# Altium PCB amp.PcbDoc (part 15 of 20) (continued)
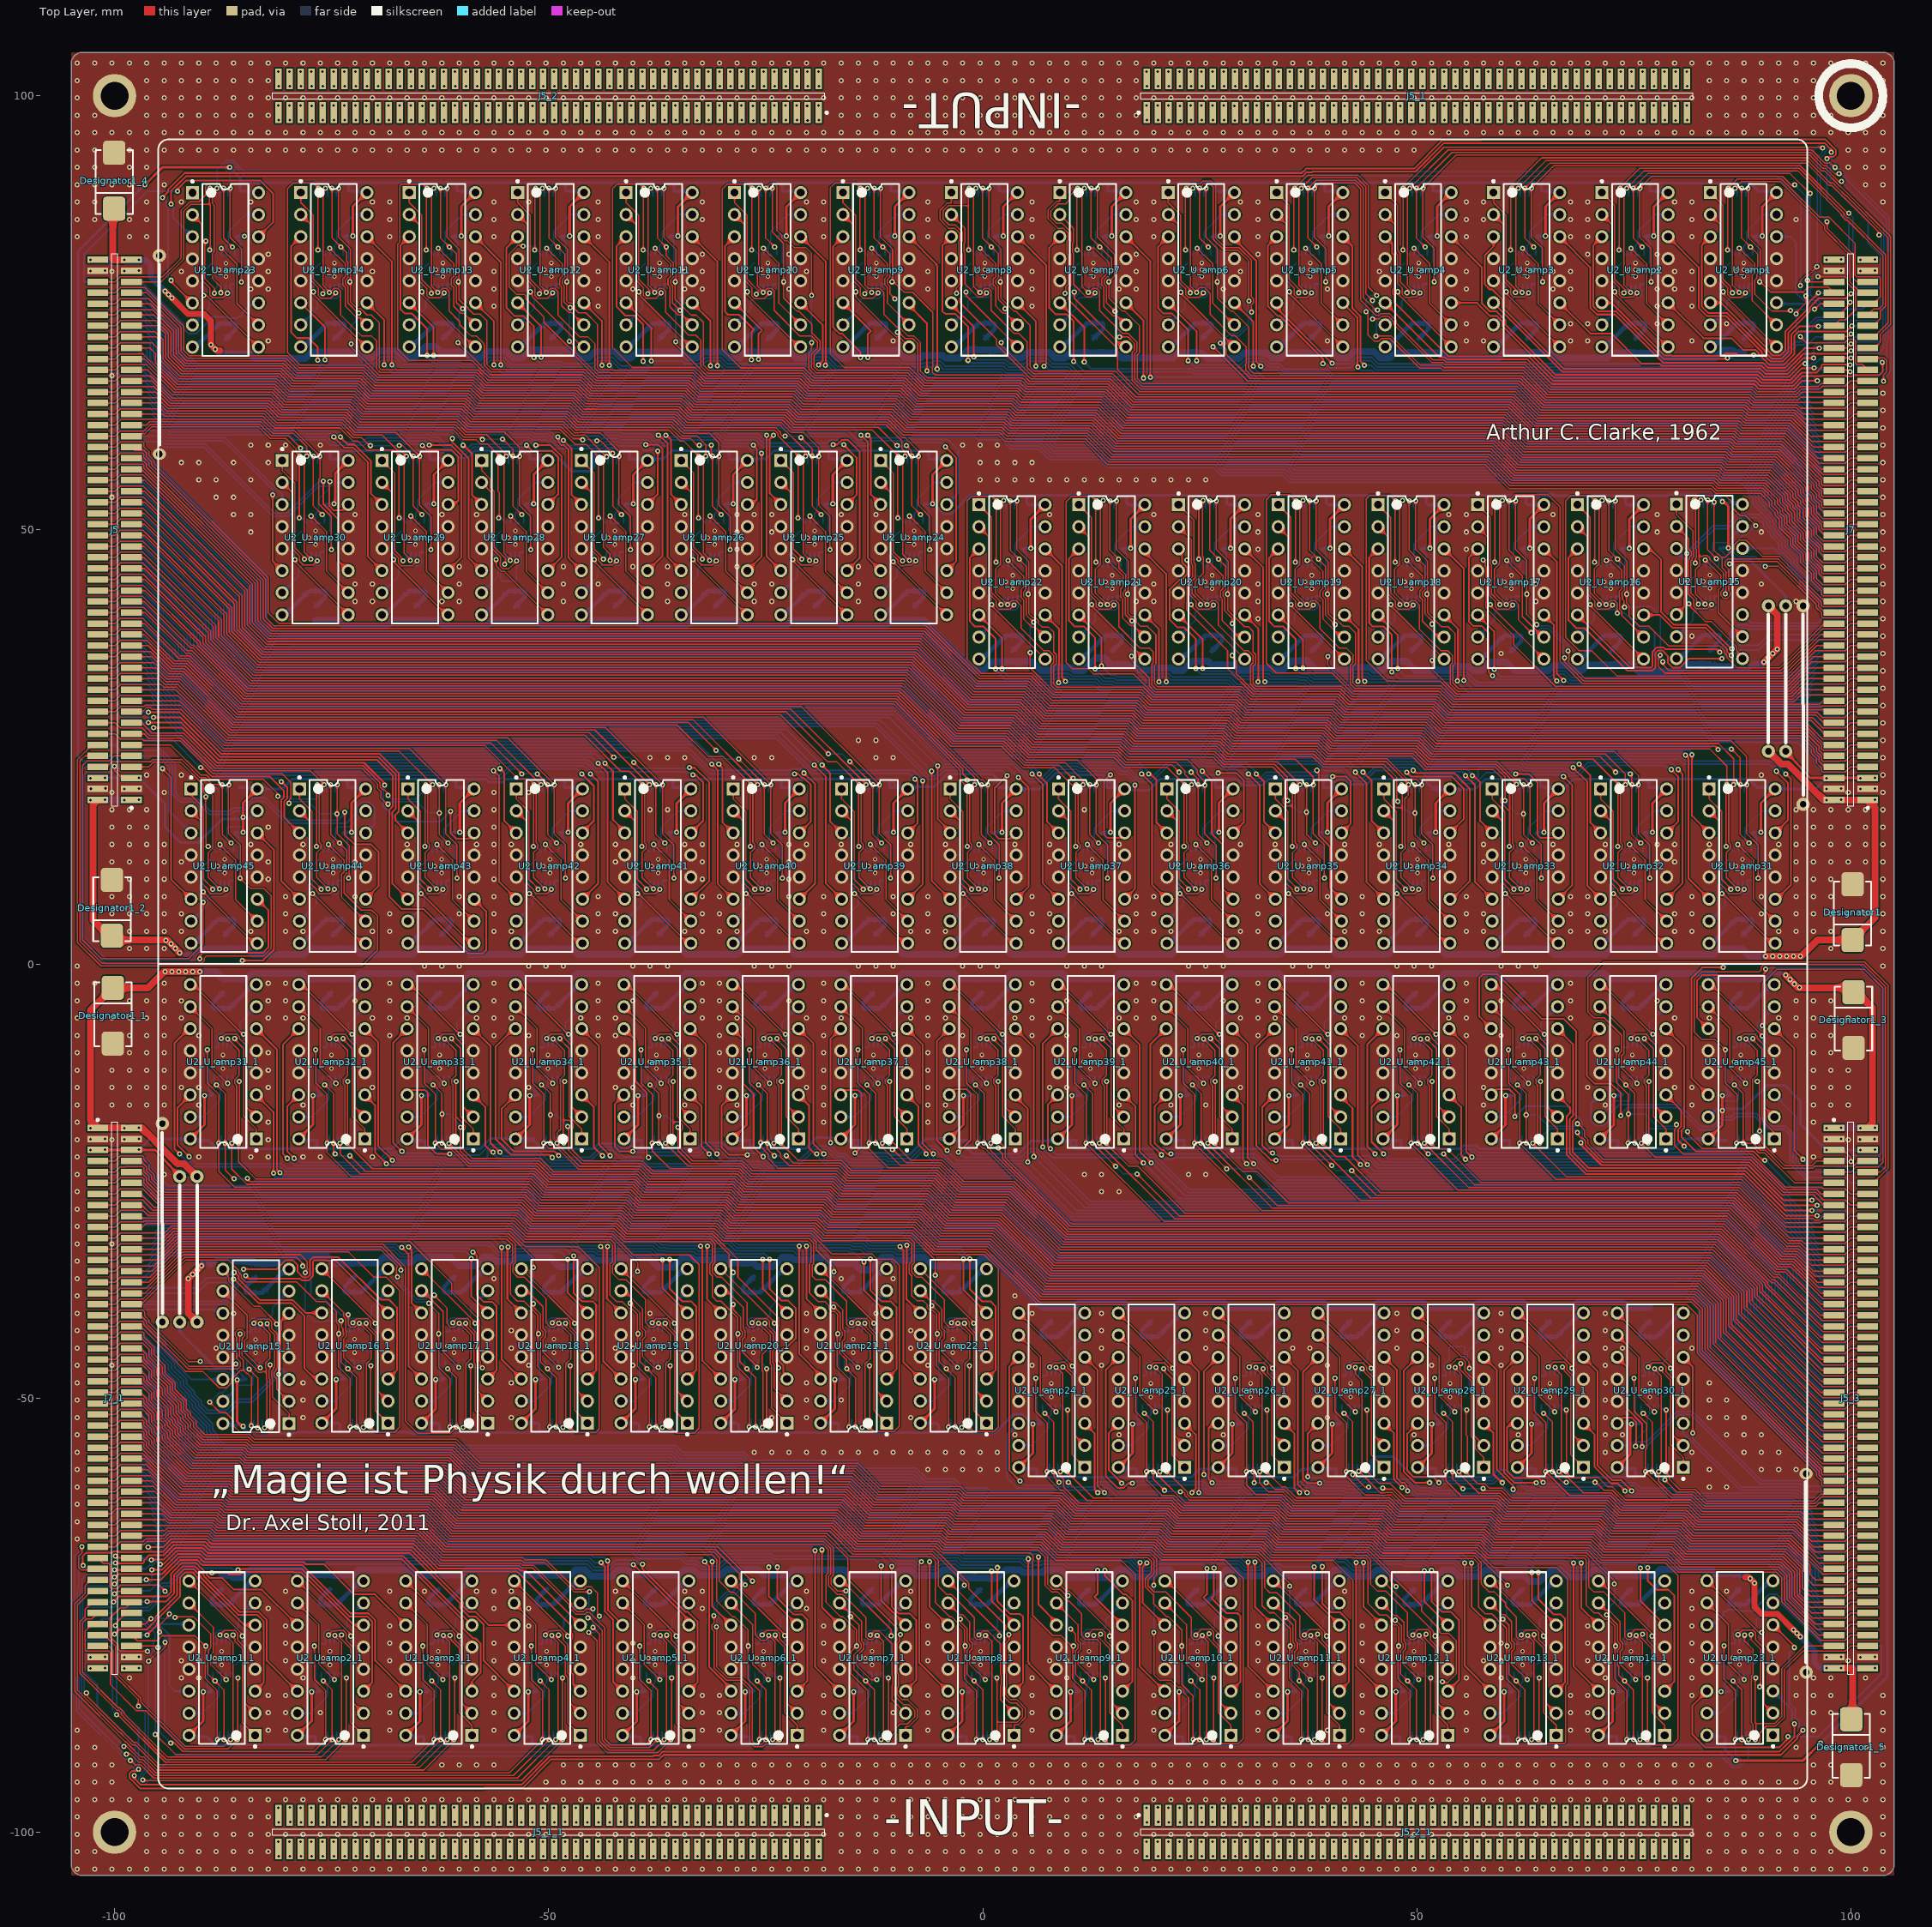
[diagram p0: Top Layer view]
## Nets (pads, with @x,y where several pads share a name; then routed paths per layer and width w, separated by ;. In a path a pad name is that pad's centre, name@x,y a point inside that pad or via, vN(x,y) a via of type N, cw(c..) or ccw(c..) an arc to the next point about the centre after c; other vN are vias at no path point) (continued)
NetJ8_43: J8.43 J8_1.43 U2_U_amp13.14 U2_U_amp13_1.14 | length 361.8
  Top Layer w0.2: U2_U_amp13.14@-58.442,83.77 -55.524,80.853 v1(-55.524,68.986) ; v1(55.524,-68.986) 55.524,-80.853 U2_U_amp13_1.14@58.442,-83.77
  Bottom Layer w0.2: J8_1.43@-98.05,-45.555 -96.901,-45.555 -95.55,-46.906 -95.55,-47.453 -94.15,-48.853 -94.15,-49.4 -93.241,-50.309 -93.241,-50.553 -92.444,-51.35 -92.444,-51.692 -90.457,-53.68 -90.457,-54.52 -89.95,-55.027 -89.95,-55.307 -88.055,-57.202 -36.099,-57.202 -35.312,-57.99 -28.236,-57.99 -27.304,-58.922 -15.212,-58.922 -14.321,-59.813 -8.403,-59.813 -7.149,-61.066 -3.973,-61.066 -2.919,-62.12 -0.238,-62.12 0.161,-62.52 7.351,-62.52 7.546,-62.715 8.613,-62.715 9.418,-63.52 11.608,-63.52 11.982,-63.894 18.729,-63.894 19.395,-64.561 21.571,-64.561 21.931,-64.92 27.874,-64.92 28.574,-65.62 30.849,-65.62 31.13,-65.901 33.251,-65.901 33.67,-66.32 39.297,-66.32 39.453,-66.476 41.46,-66.476 41.758,-66.774 43.164,-66.774 44.097,-67.707 44.418,-67.707 44.425,-67.714 48.859,-67.714 49.135,-67.991 51.254,-67.991 51.626,-68.363 54.901,-68.363 v1(55.524,-68.986) ; v1(-55.524,68.986) -54.901,68.363 -51.626,68.363 -51.254,67.991 -49.135,67.991 -48.859,67.714 -44.425,67.714 -44.418,67.707 -44.097,67.707 -43.164,66.774 -41.758,66.774 -41.46,66.476 -39.453,66.476 -39.297,66.32 -33.67,66.32 -33.251,65.901 -31.13,65.901 -30.849,65.62 -28.574,65.62 -27.874,64.92 -21.931,64.92 -21.571,64.561 -19.395,64.561 -18.729,63.894 -11.982,63.894 -11.608,63.52 -9.418,63.52 -8.613,62.715 -7.546,62.715 -7.351,62.52 -0.161,62.52 0.238,62.12 2.919,62.12 3.973,61.066 7.149,61.066 8.403,59.813 14.321,59.813 15.212,58.922 27.304,58.922 28.236,57.99 35.312,57.99 36.099,57.202 88.055,57.202 89.95,55.307 89.95,55.027 90.457,54.52 90.457,53.68 92.444,51.692 92.444,51.35 93.241,50.553 93.241,50.309 94.15,49.4 94.15,48.853 95.55,47.453 95.55,46.906 96.901,45.555 J8.43@98.05,45.555
NetJ8_44: J8.44 J8_1.44 U2_U_amp13.11 U2_U_amp13_1.11 | length 356.7
  Top Layer w0.2: U2_U_amp13.11@-58.442,76.15 -56.286,73.995 v1(-56.286,68.986) ; v1(56.286,-68.986) 56.286,-73.995 U2_U_amp13_1.11@58.442,-76.15
  Bottom Layer w0.2: J8_1.44@-101.95,-45.555 -99.974,-45.555 -99.354,-44.935 -96.746,-44.935 -96.6,-45.081 -96.6,-45.362 -95.2,-46.762 -95.2,-47.308 -93.8,-48.708 -93.8,-49.255 -92.891,-50.164 -92.891,-50.408 -92.094,-51.205 -92.094,-51.547 -90.107,-53.535 -90.107,-54.375 -89.6,-54.882 -89.6,-55.162 -87.91,-56.852 -35.954,-56.852 -35.167,-57.64 -28.091,-57.64 -27.159,-58.572 -15.067,-58.572 -14.176,-59.463 -8.258,-59.463 -7.004,-60.716 -3.828,-60.716 -2.774,-61.77 -0.093,-61.77 0.306,-62.17 7.496,-62.17 7.691,-62.365 8.758,-62.365 9.563,-63.17 11.753,-63.17 12.127,-63.544 18.874,-63.544 19.54,-64.211 21.716,-64.211 22.076,-64.57 28.019,-64.57 28.719,-65.27 30.994,-65.27 31.275,-65.551 33.396,-65.551 33.815,-65.97 39.442,-65.97 39.597,-66.126 41.605,-66.126 41.903,-66.424 43.309,-66.424 44.242,-67.357 44.563,-67.357 44.57,-67.364 49.004,-67.364 49.28,-67.641 51.399,-67.641 51.771,-68.013 55.328,-68.013 56.074,-68.759 56.074,-68.774 v1(56.286,-68.986) ; v1(-56.286,68.986) -56.074,68.774 -56.074,68.759 -55.328,68.013 -51.771,68.013 -51.399,67.641 -49.28,67.641 -49.004,67.364 -44.57,67.364 -44.563,67.357 -44.242,67.357 -43.309,66.424 -41.903,66.424 -41.605,66.126 -39.597,66.126 -39.442,65.97 -33.815,65.97 -33.396,65.551 -31.275,65.551 -30.994,65.27 -28.719,65.27 -28.019,64.57 -22.076,64.57 -21.716,64.211 -19.54,64.211 -18.874,63.544 -12.127,63.544 -11.753,63.17 -9.563,63.17 -8.758,62.365 -7.691,62.365 -7.496,62.17 -0.306,62.17 0.093,61.77 2.774,61.77 3.828,60.716 7.004,60.716 8.258,59.463 14.176,59.463 15.067,58.572 27.159,58.572 28.091,57.64 35.167,57.64 35.954,56.852 87.91,56.852 89.6,55.162 89.6,54.882 90.107,54.375 90.107,53.535 92.094,51.547 92.094,51.205 92.891,50.408 92.891,50.164 93.8,49.255 93.8,48.708 95.2,47.308 95.2,46.762 96.6,45.362 96.6,45.081 96.746,44.935 99.354,44.935 99.974,45.555 J8.44@101.95,45.555
NetJ8_45: J8.45 J8_1.45 U2_U_amp13.6 U2_U_amp13_1.6 | length 362
  Top Layer w0.2: U2_U_amp13.6@-66.062,76.15 -63.246,73.334 v1(-63.246,70.079) ; v1(63.246,-70.079) 63.246,-73.334 U2_U_amp13_1.6@66.062,-76.15
  Bottom Layer w0.2: J8_1.45@-98.05,-46.825 -96.901,-46.825 -96.25,-47.476 -96.25,-47.743 -94.85,-49.143 -94.85,-49.69 -93.941,-50.599 -93.941,-50.843 -93.144,-51.64 -93.144,-51.982 -91.157,-53.97 -91.157,-54.81 -90.65,-55.317 -90.65,-55.597 -88.345,-57.902 -36.389,-57.902 -35.601,-58.69 -28.526,-58.69 -27.594,-59.622 -15.502,-59.622 -14.611,-60.513 -8.693,-60.513 -7.439,-61.766 -4.263,-61.766 -3.209,-62.82 -0.528,-62.82 -0.128,-63.22 7.061,-63.22 7.256,-63.415 8.323,-63.415 9.128,-64.22 11.319,-64.22 11.692,-64.594 18.439,-64.594 19.105,-65.261 21.281,-65.261 21.641,-65.62 27.584,-65.62 28.284,-66.32 30.559,-66.32 30.84,-66.601 32.961,-66.601 33.38,-67.02 39.007,-67.02 39.163,-67.176 41.17,-67.176 41.468,-67.474 42.874,-67.474 43.811,-68.411 44.132,-68.411 44.141,-68.42 48.575,-68.42 48.845,-68.691 50.964,-68.691 51.336,-69.063 54.322,-69.063 55.146,-69.886 56.868,-69.886 57.692,-69.063 59.924,-69.063 60.226,-69.365 62.742,-69.365 63.092,-69.715 63.137,-69.715 63.271,-69.85 v1@63.271,-70.079 ; v1(-63.246,70.079) v1@-63.271,70.079 ; v1(63.246,-70.079) v1@63.271,-70.079 ; J8.45@98.05,46.825 96.901,46.825 96.25,47.476 96.25,47.743 94.85,49.143 94.85,49.69 93.941,50.599 93.941,50.843 93.144,51.64 93.144,51.982 91.157,53.97 91.157,54.81 90.65,55.317 90.65,55.597 88.345,57.902 36.389,57.902 35.601,58.69 28.526,58.69 27.594,59.622 15.502,59.622 14.611,60.513 8.693,60.513 7.439,61.766 4.263,61.766 3.209,62.82 0.528,62.82 0.128,63.22 -7.061,63.22 -7.256,63.415 -8.323,63.415 -9.128,64.22 -11.319,64.22 -11.692,64.594 -18.439,64.594 -19.105,65.261 -21.281,65.261 -21.641,65.62 -27.584,65.62 -28.284,66.32 -30.559,66.32 -30.84,66.601 -32.961,66.601 -33.38,67.02 -39.007,67.02 -39.163,67.176 -41.17,67.176 -41.468,67.474 -42.874,67.474 -43.811,68.411 -44.132,68.411 -44.141,68.42 -48.575,68.42 -48.845,68.691 -50.964,68.691 -51.336,69.063 -54.322,69.063 -55.146,69.886 -56.868,69.886 -57.692,69.063 -59.924,69.063 -60.226,69.365 -62.742,69.365 -63.092,69.715 -63.137,69.715 -63.271,69.85 v1@-63.271,70.079 ; v1@-63.271,70.079 -63.271,70.206 -63.348,70.206 -63.424,70.129 -63.373,70.079 v1@-63.271,70.079 ; v1@63.271,-70.079 63.271,-70.206 63.348,-70.206 63.424,-70.129 63.373,-70.079 v1@63.271,-70.079
NetJ8_46: J8.46 J8_1.46 U2_U_amp13.3 U2_U_amp13_1.3 | length 389.3
  Top Layer w0.2: U2_U_amp13.3@-66.062,83.77 -67.062,82.77 -67.062,75.393 -66.573,74.905 -65.735,74.905 -64.008,73.177 v1(-64.008,70.079) ; v1(64.008,-70.079) 64.008,-73.177 65.735,-74.905 66.573,-74.905 67.062,-75.393 67.062,-82.77 U2_U_amp13_1.3@66.062,-83.77
  Bottom Layer w0.2: J8_1.46@-101.95,-46.825 -99.974,-46.825 -99.354,-46.205 -96.746,-46.205 -95.9,-47.051 -95.9,-47.598 -94.5,-48.998 -94.5,-49.545 -93.591,-50.454 -93.591,-50.698 -92.794,-51.495 -92.794,-51.837 -90.807,-53.825 -90.807,-54.665 -90.3,-55.172 -90.3,-55.452 -88.2,-57.552 -36.244,-57.552 -35.456,-58.34 -28.381,-58.34 -27.449,-59.272 -15.357,-59.272 -14.466,-60.163 -8.548,-60.163 -7.294,-61.416 -4.118,-61.416 -3.064,-62.47 -0.383,-62.47 0.017,-62.87 7.206,-62.87 7.401,-63.065 8.468,-63.065 9.273,-63.87 11.463,-63.87 11.837,-64.244 18.584,-64.244 19.25,-64.911 21.426,-64.911 21.786,-65.27 27.729,-65.27 28.429,-65.97 30.704,-65.97 30.985,-66.251 33.106,-66.251 33.525,-66.67 39.152,-66.67 39.308,-66.826 41.315,-66.826 41.613,-67.124 43.019,-67.124 43.952,-68.057 44.273,-68.057 44.286,-68.07 48.72,-68.07 48.99,-68.341 51.109,-68.341 51.481,-68.713 54.473,-68.713 55.297,-69.536 56.723,-69.536 57.547,-68.713 60.069,-68.713 60.371,-69.015 62.887,-69.015 63.237,-69.365 63.447,-69.365 v1@64.11,-70.028 ; v1@-64.211,70.129 v1@-64.11,70.028 ; v1(-64.008,70.079) -64.059,70.079 v1@-64.11,70.028 ; v1(64.008,-70.079) 64.059,-70.079 v1@64.11,-70.028 ; v1@64.211,-70.129 v1@64.11,-70.028 ; J8.46@101.95,46.825 99.974,46.825 99.354,46.205 96.746,46.205 95.9,47.051 95.9,47.598 94.5,48.998 94.5,49.545 93.591,50.454 93.591,50.698 92.794,51.495 92.794,51.837 90.807,53.825 90.807,54.665 90.3,55.172 90.3,55.452 88.2,57.552 36.244,57.552 35.456,58.34 28.381,58.34 27.449,59.272 15.357,59.272 14.466,60.163 8.548,60.163 7.294,61.416 4.118,61.416 3.064,62.47 0.383,62.47 -0.017,62.87 -7.206,62.87 -7.401,63.065 -8.468,63.065 -9.273,63.87 -11.463,63.87 -11.837,64.244 -18.584,64.244 -19.25,64.911 -21.426,64.911 -21.786,65.27 -27.729,65.27 -28.429,65.97 -30.704,65.97 -30.985,66.251 -33.106,66.251 -33.525,66.67 -39.152,66.67 -39.308,66.826 -41.315,66.826 -41.613,67.124 -43.019,67.124 -43.952,68.057 -44.273,68.057 -44.286,68.07 -48.72,68.07 -48.99,68.341 -51.109,68.341 -51.481,68.713 -54.473,68.713 -55.297,69.536 -56.723,69.536 -57.547,68.713 -60.069,68.713 -60.371,69.015 -62.887,69.015 -63.237,69.365 -63.447,69.365 v1@-64.11,70.028
NetJ8_47: J8.47 J8_1.47 U2_U_amp12.14 U2_U_amp12_1.14 | length 334.1
  Top Layer w0.2: U2_U_amp12.14@-45.952,83.77 -43.002,80.821 v1(-43.002,68.936) ; v1(43.002,-68.936) 43.002,-80.821 U2_U_amp12_1.14@45.952,-83.77
  Bottom Layer w0.2: J8_1.47@-98.05,-48.095 -97.75,-48.395 -96.601,-48.395 -95.55,-49.446 -95.55,-49.98 -94.641,-50.889 -94.641,-51.133 -93.844,-51.93 -93.844,-52.272 -91.857,-54.259 -91.857,-55.1 -91.35,-55.607 -91.35,-55.887 -88.635,-58.602 -36.679,-58.602 -35.891,-59.39 -28.816,-59.39 -27.884,-60.322 -15.792,-60.322 -14.901,-61.213 -8.982,-61.213 -7.729,-62.466 -4.553,-62.466 -3.499,-63.52 -0.818,-63.52 -0.418,-63.92 6.771,-63.92 6.966,-64.115 8.033,-64.115 8.838,-64.92 11.029,-64.92 11.403,-65.294 18.149,-65.294 18.815,-65.961 20.991,-65.961 21.351,-66.32 27.294,-66.32 27.994,-67.02 30.269,-67.02 30.55,-67.301 32.671,-67.301 33.09,-67.72 38.717,-67.72 38.873,-67.876 40.88,-67.876 41.178,-68.174 42.241,-68.174 v1(43.002,-68.936) ; v1(-43.002,68.936) -42.241,68.174 -41.178,68.174 -40.88,67.876 -38.873,67.876 -38.717,67.72 -33.09,67.72 -32.671,67.301 -30.55,67.301 -30.269,67.02 -27.994,67.02 -27.294,66.32 -21.351,66.32 -20.991,65.961 -18.815,65.961 -18.149,65.294 -11.403,65.294 -11.029,64.92 -8.838,64.92 -8.033,64.115 -6.966,64.115 -6.771,63.92 0.418,63.92 0.818,63.52 3.499,63.52 4.553,62.466 7.729,62.466 8.982,61.213 14.901,61.213 15.792,60.322 27.884,60.322 28.816,59.39 35.891,59.39 36.679,58.602 88.635,58.602 91.35,55.887 91.35,55.607 91.857,55.1 91.857,54.259 93.844,52.272 93.844,51.93 94.641,51.133 94.641,50.889 95.55,49.98 95.55,49.446 96.601,48.395 97.75,48.395 J8.47@98.05,48.095
NetJ8_48: J8.48 J8_1.48 U2_U_amp12.11 U2_U_amp12_1.11 | length 329
  Top Layer w0.2: U2_U_amp12.11@-45.952,76.15 -43.866,74.064 v1(-43.866,68.961) ; v1(43.866,-68.961) 43.866,-74.064 U2_U_amp12_1.11@45.952,-76.15
  Bottom Layer w0.2: J8_1.48@-101.95,-48.095 -99.974,-48.095 -99.354,-47.475 -96.746,-47.475 -96.6,-47.621 -96.6,-47.902 -95.2,-49.302 -95.2,-49.835 -94.291,-50.744 -94.291,-50.988 -93.494,-51.785 -93.494,-52.127 -91.507,-54.115 -91.507,-54.955 -91,-55.462 -91,-55.742 -88.49,-58.252 -36.534,-58.252 -35.746,-59.04 -28.671,-59.04 -27.739,-59.972 -15.647,-59.972 -14.756,-60.863 -8.837,-60.863 -7.584,-62.116 -4.408,-62.116 -3.354,-63.17 -0.673,-63.17 -0.273,-63.57 6.916,-63.57 7.111,-63.765 8.178,-63.765 8.983,-64.57 11.174,-64.57 11.548,-64.944 18.294,-64.944 18.96,-65.611 21.136,-65.611 21.496,-65.97 27.439,-65.97 28.139,-66.67 30.414,-66.67 30.695,-66.951 32.816,-66.951 33.235,-67.37 38.862,-67.37 39.018,-67.526 41.025,-67.526 41.323,-67.824 42.729,-67.824 v1(43.866,-68.961) ; v1(-43.866,68.961) -42.729,67.824 -41.323,67.824 -41.025,67.526 -39.018,67.526 -38.862,67.37 -33.235,67.37 -32.816,66.951 -30.695,66.951 -30.414,66.67 -28.139,66.67 -27.439,65.97 -21.496,65.97 -21.136,65.611 -18.96,65.611 -18.294,64.944 -11.548,64.944 -11.174,64.57 -8.983,64.57 -8.178,63.765 -7.111,63.765 -6.916,63.57 0.273,63.57 0.673,63.17 3.354,63.17 4.408,62.116 7.584,62.116 8.837,60.863 14.756,60.863 15.647,59.972 27.739,59.972 28.671,59.04 35.746,59.04 36.534,58.252 88.49,58.252 91,55.742 91,55.462 91.507,54.955 91.507,54.115 93.494,52.127 93.494,51.785 94.291,50.988 94.291,50.744 95.2,49.835 95.2,49.302 96.6,47.902 96.6,47.621 96.746,47.475 99.354,47.475 99.974,48.095 J8.48@101.95,48.095
NetJ8_49: J8.49 J8_1.49 U2_U_amp12.6 U2_U_amp12_1.6 | length 333.3
  Top Layer w0.2: U2_U_amp12.6@-53.572,76.15 -50.876,73.455 v1(-50.876,69.875) ; v1(50.876,-69.875) 50.876,-73.455 U2_U_amp12_1.6@53.572,-76.15
  Bottom Layer w0.2: J8_1.49@-98.05,-49.365 -97.75,-49.665 -96.601,-49.665 -96.25,-50.016 -96.25,-50.27 -95.341,-51.179 -95.341,-51.423 -94.544,-52.22 -94.544,-52.562 -92.557,-54.549 -92.557,-55.39 -92.05,-55.897 -92.05,-56.177 -88.925,-59.302 -36.969,-59.302 -36.181,-60.09 -29.106,-60.09 -28.174,-61.022 -16.082,-61.022 -15.191,-61.913 -9.272,-61.913 -8.019,-63.166 -4.843,-63.166 -3.789,-64.22 -1.108,-64.22 -0.672,-64.657 6.518,-64.657 6.676,-64.815 7.743,-64.815 8.548,-65.62 10.739,-65.62 11.113,-65.994 17.859,-65.994 18.525,-66.661 20.702,-66.661 21.061,-67.02 27.005,-67.02 27.705,-67.72 29.979,-67.72 30.26,-68.001 32.381,-68.001 32.8,-68.42 38.427,-68.42 38.583,-68.576 40.59,-68.576 40.888,-68.874 41.643,-68.874 42.63,-69.861 44.239,-69.861 44.979,-69.12 48.285,-69.12 48.555,-69.391 50.544,-69.391 50.876,-69.723 v1(50.876,-69.875) ; v1(-50.876,69.875) -50.876,69.723 -50.544,69.391 -48.555,69.391 -48.285,69.12 -44.979,69.12 -44.239,69.861 -42.63,69.861 -41.643,68.874 -40.888,68.874 -40.59,68.576 -38.583,68.576 -38.427,68.42 -32.8,68.42 -32.381,68.001 -30.26,68.001 -29.979,67.72 -27.705,67.72 -27.005,67.02 -21.061,67.02 -20.702,66.661 -18.525,66.661 -17.859,65.994 -11.113,65.994 -10.739,65.62 -8.548,65.62 -7.743,64.815 -6.676,64.815 -6.518,64.657 0.672,64.657 1.108,64.22 3.789,64.22 4.843,63.166 8.019,63.166 9.272,61.913 15.191,61.913 16.082,61.022 28.174,61.022 29.106,60.09 36.181,60.09 36.969,59.302 88.925,59.302 92.05,56.177 92.05,55.897 92.557,55.39 92.557,54.549 94.544,52.562 94.544,52.22 95.341,51.423 95.341,51.179 96.25,50.27 96.25,50.016 96.601,49.665 97.75,49.665 J8.49@98.05,49.365
NetJ8_50: J8.50 J8_1.50 U2_U_amp12.3 U2_U_amp12_1.3 | length 362
  Top Layer w0.2: U2_U_amp12.3@-53.572,83.77 -54.872,82.47 -54.872,75.573 -53.95,74.651 -52.908,74.651 -51.689,73.431 v1(-51.689,69.85) ; v1(51.689,-69.85) 51.689,-73.431 52.908,-74.651 53.95,-74.651 54.872,-75.573 54.872,-82.47 U2_U_amp12_1.3@53.572,-83.77
  Bottom Layer w0.2: J8_1.50@-101.95,-49.365 -99.974,-49.365 -99.354,-48.745 -96.746,-48.745 -95.9,-49.591 -95.9,-50.125 -94.991,-51.034 -94.991,-51.278 -94.194,-52.075 -94.194,-52.417 -92.207,-54.404 -92.207,-55.245 -91.7,-55.752 -91.7,-56.032 -88.78,-58.952 -36.824,-58.952 -36.036,-59.74 -28.961,-59.74 -28.029,-60.672 -15.937,-60.672 -15.046,-61.563 -9.127,-61.563 -7.874,-62.816 -4.698,-62.816 -3.644,-63.87 -0.963,-63.87 -0.563,-64.27 6.626,-64.27 6.821,-64.465 7.888,-64.465 8.693,-65.27 10.884,-65.27 11.258,-65.644 18.004,-65.644 18.67,-66.311 20.846,-66.311 21.206,-66.67 27.149,-66.67 27.849,-67.37 30.124,-67.37 30.405,-67.651 32.526,-67.651 32.945,-68.07 38.572,-68.07 38.728,-68.226 40.735,-68.226 41.033,-68.524 41.813,-68.524 42.8,-69.511 44.094,-69.511 44.834,-68.77 48.43,-68.77 48.7,-69.041 50.819,-69.041 51.679,-69.901 51.689,-69.901 v1(51.689,-69.85) ; v1(-51.689,69.85) -51.689,69.901 -51.679,69.901 -50.819,69.041 -48.7,69.041 -48.43,68.77 -44.834,68.77 -44.094,69.511 -42.8,69.511 -41.813,68.524 -41.033,68.524 -40.735,68.226 -38.728,68.226 -38.572,68.07 -32.945,68.07 -32.526,67.651 -30.405,67.651 -30.124,67.37 -27.849,67.37 -27.149,66.67 -21.206,66.67 -20.846,66.311 -18.67,66.311 -18.004,65.644 -11.258,65.644 -10.884,65.27 -8.693,65.27 -7.888,64.465 -6.821,64.465 -6.626,64.27 0.563,64.27 0.963,63.87 3.644,63.87 4.698,62.816 7.874,62.816 9.127,61.563 15.046,61.563 15.937,60.672 28.029,60.672 28.961,59.74 36.036,59.74 36.824,58.952 88.78,58.952 91.7,56.032 91.7,55.752 92.207,55.245 92.207,54.404 94.194,52.417 94.194,52.075 94.991,51.278 94.991,51.034 95.9,50.125 95.9,49.591 96.746,48.745 99.354,48.745 99.974,49.365 J8.50@101.95,49.365
NetJ8_51: J8.51 J8_1.51 U2_U_amp11.14 U2_U_amp11_1.14 | length 306.4
  Top Layer w0.2: U2_U_amp11.14@-33.462,83.77 -30.556,80.865 v1(-30.556,68.91) ; v1(30.556,-68.91) 30.556,-80.865 U2_U_amp11_1.14@33.462,-83.77
  Bottom Layer w0.2: J8_1.51@-98.05,-50.635 -97.78,-50.905 -96.631,-50.905 -96.041,-51.495 -96.041,-51.713 -95.267,-52.488 -95.267,-52.83 -93.257,-54.839 -93.257,-55.68 -92.75,-56.187 -92.75,-56.467 -89.215,-60.002 -37.259,-60.002 -36.471,-60.79 -29.396,-60.79 -28.464,-61.722 -16.372,-61.722 -15.481,-62.613 -9.562,-62.613 -8.309,-63.866 -5.133,-63.866 -4.079,-64.92 -1.398,-64.92 -0.962,-65.357 6.228,-65.357 6.386,-65.515 7.453,-65.515 8.258,-66.32 10.449,-66.32 10.823,-66.694 17.569,-66.694 18.235,-67.361 20.412,-67.361 20.771,-67.72 26.715,-67.72 27.415,-68.42 29.689,-68.42 30.179,-68.91 v1(30.556,-68.91) ; v1(-30.556,68.91) -30.179,68.91 -29.689,68.42 -27.415,68.42 -26.715,67.72 -20.771,67.72 -20.412,67.361 -18.235,67.361 -17.569,66.694 -10.823,66.694 -10.449,66.32 -8.258,66.32 -7.453,65.515 -6.386,65.515 -6.228,65.357 0.962,65.357 1.398,64.92 4.079,64.92 5.133,63.866 8.309,63.866 9.562,62.613 15.481,62.613 16.372,61.722 28.464,61.722 29.396,60.79 36.471,60.79 37.259,60.002 89.215,60.002 92.75,56.467 92.75,56.187 93.257,55.68 93.257,54.839 95.267,52.83 95.267,52.488 96.041,51.713 96.041,51.495 96.631,50.905 97.78,50.905 J8.51@98.05,50.635
NetJ8_52: J8.52 J8_1.52 U2_U_amp11.11 U2_U_amp11_1.11 | length 300.9
  Top Layer w0.2: U2_U_amp11.11@-33.462,76.15 -31.344,74.032 v1(-31.344,68.91) ; v1(31.344,-68.91) 31.344,-74.032 U2_U_amp11_1.11@33.462,-76.15
  Bottom Layer w0.2: J8_1.52@-101.95,-50.635 -99.974,-50.635 -99.354,-50.015 -96.746,-50.015 -96.6,-50.161 -96.6,-50.415 -95.691,-51.324 -95.691,-51.568 -94.894,-52.365 -94.894,-52.707 -92.907,-54.694 -92.907,-55.535 -92.4,-56.042 -92.4,-56.322 -89.07,-59.652 -37.114,-59.652 -36.326,-60.44 -29.251,-60.44 -28.319,-61.372 -16.227,-61.372 -15.336,-62.263 -9.417,-62.263 -8.164,-63.516 -4.988,-63.516 -3.934,-64.57 -1.253,-64.57 -0.817,-65.007 6.373,-65.007 6.531,-65.165 7.598,-65.165 8.403,-65.97 10.594,-65.97 10.968,-66.344 17.714,-66.344 18.38,-67.011 20.557,-67.011 20.916,-67.37 26.86,-67.37 27.56,-68.07 29.834,-68.07 30.115,-68.351 30.91,-68.351 v1@31.228,-68.67 ; v1@-31.228,68.67 -30.91,68.351 -30.115,68.351 -29.834,68.07 -27.56,68.07 -26.86,67.37 -20.916,67.37 -20.557,67.011 -18.38,67.011 -17.714,66.344 -10.968,66.344 -10.594,65.97 -8.403,65.97 -7.598,65.165 -6.531,65.165 -6.373,65.007 0.817,65.007 1.253,64.57 3.934,64.57 4.988,63.516 8.164,63.516 9.417,62.263 15.336,62.263 16.227,61.372 28.319,61.372 29.251,60.44 36.326,60.44 37.114,59.652 89.07,59.652 92.4,56.322 92.4,56.042 92.907,55.535 92.907,54.694 94.894,52.707 94.894,52.365 95.691,51.568 95.691,51.324 96.6,50.415 96.6,50.161 96.746,50.015 99.354,50.015 99.974,50.635 J8.52@101.95,50.635
NetJ8_53: J8.53 J8_1.53 U2_U_amp11.6 U2_U_amp11_1.6 | length 305.7
  Top Layer w0.2: U2_U_amp11.6@-41.082,76.15 -38.1,73.169 -38.176,73.093 v1(-38.176,69.444) ; v1(38.176,-69.444) 38.176,-73.093 38.1,-73.169 U2_U_amp11_1.6@41.082,-76.15
  Bottom Layer w0.2: J8_1.53@-98.05,-51.905 -96.901,-51.905 -95.967,-52.84 -95.967,-53.12 -93.957,-55.129 -93.957,-55.969 -93.45,-56.477 -93.45,-56.757 -89.505,-60.702 -37.549,-60.702 -36.761,-61.49 -29.686,-61.49 -28.754,-62.422 -16.662,-62.422 -15.771,-63.313 -9.852,-63.313 -8.599,-64.566 -5.423,-64.566 -4.369,-65.62 -1.688,-65.62 -1.251,-66.057 5.938,-66.057 6.096,-66.215 7.163,-66.215 7.968,-67.02 10.159,-67.02 10.533,-67.394 17.279,-67.394 17.945,-68.061 20.122,-68.061 20.481,-68.42 26.37,-68.42 26.666,-68.716 26.72,-68.716 27.125,-69.12 29.399,-69.12 30.1,-69.821 31.953,-69.821 32.654,-69.12 34.269,-69.12 34.593,-69.444 v1(38.176,-69.444) ; v1(-38.176,69.444) -34.593,69.444 -34.269,69.12 -32.654,69.12 -31.953,69.821 -30.1,69.821 -29.399,69.12 -27.125,69.12 -26.72,68.716 -26.666,68.716 -26.37,68.42 -20.481,68.42 -20.122,68.061 -17.945,68.061 -17.279,67.394 -10.533,67.394 -10.159,67.02 -7.968,67.02 -7.163,66.215 -6.096,66.215 -5.938,66.057 1.251,66.057 1.688,65.62 4.369,65.62 5.423,64.566 8.599,64.566 9.852,63.313 15.771,63.313 16.662,62.422 28.754,62.422 29.686,61.49 36.761,61.49 37.549,60.702 89.505,60.702 93.45,56.757 93.45,56.477 93.957,55.969 93.957,55.129 95.967,53.12 95.967,52.84 96.901,51.905 J8.53@98.05,51.905
NetJ8_54: J8.54 J8_1.54 U2_U_amp11.3 U2_U_amp11_1.3 | length 334.3
  Top Layer w0.2: U2_U_amp11.3@-41.082,83.77 -42.164,82.688 -42.164,75.692 -41.148,74.676 -40.132,74.676 -39.116,73.66 v1(-39.116,69.418) ; v1(39.116,-69.418) 39.116,-73.66 40.132,-74.676 41.148,-74.676 42.164,-75.692 42.164,-82.688 U2_U_amp11_1.3@41.082,-83.77
  Bottom Layer w0.2: J8_1.54@-101.95,-51.905 -99.974,-51.905 -99.354,-51.285 -98.074,-51.285 -98.044,-51.255 -96.776,-51.255 -96.391,-51.64 -96.391,-51.858 -95.617,-52.633 -95.617,-52.975 -93.607,-54.984 -93.607,-55.825 -93.1,-56.332 -93.1,-56.612 -89.36,-60.352 -37.404,-60.352 -36.616,-61.14 -29.541,-61.14 -28.609,-62.072 -16.517,-62.072 -15.626,-62.963 -9.707,-62.963 -8.454,-64.216 -5.278,-64.216 -4.224,-65.27 -1.543,-65.27 -1.106,-65.707 6.083,-65.707 6.241,-65.865 7.308,-65.865 8.113,-66.67 10.304,-66.67 10.678,-67.044 17.424,-67.044 18.09,-67.711 20.267,-67.711 20.626,-68.07 26.515,-68.07 26.811,-68.366 26.865,-68.366 27.27,-68.77 29.544,-68.77 30.245,-69.471 31.808,-69.471 32.509,-68.77 38.282,-68.77 38.438,-68.926 38.716,-68.926 39.116,-69.326 v1(39.116,-69.418) ; v1(-39.116,69.418) -39.116,69.326 -38.716,68.926 -38.438,68.926 -38.282,68.77 -32.509,68.77 -31.808,69.471 -30.245,69.471 -29.544,68.77 -27.27,68.77 -26.865,68.366 -26.811,68.366 -26.515,68.07 -20.626,68.07 -20.267,67.711 -18.09,67.711 -17.424,67.044 -10.678,67.044 -10.304,66.67 -8.113,66.67 -7.308,65.865 -6.241,65.865 -6.083,65.707 1.106,65.707 1.543,65.27 4.224,65.27 5.278,64.216 8.454,64.216 9.707,62.963 15.626,62.963 16.517,62.072 28.609,62.072 29.541,61.14 36.616,61.14 37.404,60.352 89.36,60.352 93.1,56.612 93.1,56.332 93.607,55.825 93.607,54.984 95.617,52.975 95.617,52.633 96.391,51.858 96.391,51.64 96.776,51.255 98.044,51.255 98.074,51.285 99.354,51.285 99.974,51.905 J8.54@101.95,51.905
NetJ8_55: J8.55 J8_1.55 U2_U_amp10.14 U2_U_amp10_1.14 | length 279.3
  Top Layer w0.2: U2_U_amp10.14@-20.971,83.77 -18.058,80.857 -18.058,69.039 v1(-18.136,68.961) ; v1(18.136,-68.961) 18.058,-69.039 18.058,-80.857 U2_U_amp10_1.14@20.971,-83.77
  Bottom Layer w0.2: J8_1.55@-98.05,-53.175 -96.901,-53.175 -96.25,-53.826 -96.25,-53.979 -94.657,-55.571 -94.657,-56.259 -94.15,-56.767 -94.15,-57.047 -89.794,-61.402 -37.839,-61.402 -37.051,-62.19 -29.976,-62.19 -29.044,-63.122 -16.952,-63.122 -16.06,-64.013 -10.142,-64.013 -8.889,-65.266 -5.713,-65.266 -4.865,-66.114 -4.659,-66.32 -1.978,-66.32 -1.541,-66.757 5.648,-66.757 5.806,-66.915 6.873,-66.915 7.678,-67.72 9.869,-67.72 10.243,-68.094 16.989,-68.094 17.881,-68.986 17.959,-68.986 18.136,-68.81 v1(18.136,-68.961) ; v1(-18.136,68.961) -18.136,68.81 -17.959,68.986 -17.881,68.986 -16.989,68.094 -10.243,68.094 -9.869,67.72 -7.678,67.72 -6.873,66.915 -5.806,66.915 -5.648,66.757 1.541,66.757 1.978,66.32 4.659,66.32 4.865,66.114 5.713,65.266 8.889,65.266 10.142,64.013 16.06,64.013 16.952,63.122 29.044,63.122 29.976,62.19 37.051,62.19 37.839,61.402 89.794,61.402 94.15,57.047 94.15,56.767 94.657,56.259 94.657,55.571 96.25,53.979 96.25,53.826 96.901,53.175 J8.55@98.05,53.175
NetJ8_56: J8.56 J8_1.56 U2_U_amp10.11 U2_U_amp10_1.11 | length 275
  Top Layer w0.2: U2_U_amp10.11@-20.971,76.15 -18.408,73.587 -18.408,69.466 v1@-18.898,68.977 ; v1(-18.898,69.012) v1@-18.898,68.977 ; v1(18.898,-69.012) v1@18.898,-68.977 ; U2_U_amp10_1.11@20.971,-76.15 18.408,-73.587 18.408,-69.466 v1@18.898,-68.977 ; v1@-18.898,68.977 -18.898,68.875 -18.948,68.926 v1@-18.898,68.977 ; v1@18.898,-68.977 18.948,-68.926 18.898,-68.875 v1@18.898,-68.977
  Bottom Layer w0.2: J8_1.56@-101.95,-53.175 -99.974,-53.175 -99.354,-52.555 -96.746,-52.555 -96.317,-52.985 -96.317,-53.265 -95.123,-54.459 -95.123,-54.611 -94.307,-55.426 -94.307,-56.114 -93.8,-56.622 -93.8,-56.902 -89.65,-61.052 -37.694,-61.052 -36.906,-61.84 -29.831,-61.84 -28.899,-62.772 -16.807,-62.772 -15.915,-63.663 -9.997,-63.663 -8.744,-64.916 -5.568,-64.916 -4.72,-65.764 -4.514,-65.97 -1.833,-65.97 -1.396,-66.407 5.793,-66.407 5.951,-66.565 7.018,-66.565 7.823,-67.37 10.014,-67.37 10.388,-67.744 17.134,-67.744 17.801,-68.411 18.363,-68.411 18.686,-68.733 18.686,-68.8 v1(18.898,-69.012) ; v1(-18.898,69.012) -18.686,68.8 -18.686,68.733 -18.363,68.411 -17.801,68.411 -17.134,67.744 -10.388,67.744 -10.014,67.37 -7.823,67.37 -7.018,66.565 -5.951,66.565 -5.793,66.407 1.396,66.407 1.833,65.97 4.514,65.97 4.72,65.764 5.568,64.916 8.744,64.916 9.997,63.663 15.915,63.663 16.807,62.772 28.899,62.772 29.831,61.84 36.906,61.84 37.694,61.052 89.65,61.052 93.8,56.902 93.8,56.622 94.307,56.114 94.307,55.426 95.123,54.611 95.123,54.459 96.317,53.265 96.317,52.985 96.746,52.555 99.354,52.555 99.974,53.175 J8.56@101.95,53.175
NetJ8_57: J8.57 J8_1.57 U2_U_amp10.6 U2_U_amp10_1.6 | length 278.7
  Top Layer w0.2: U2_U_amp10.6@-28.591,76.15 -25.425,72.984 -25.832,72.578 v1(-25.832,69.621) ; v1(25.832,-69.621) 25.832,-72.578 25.425,-72.984 U2_U_amp10_1.6@28.591,-76.15
  Bottom Layer w0.2: J8_1.57@-98.05,-54.445 -96.901,-54.445 -95.357,-55.989 -95.357,-56.549 -94.85,-57.057 -94.85,-57.337 -90.084,-62.102 -38.129,-62.102 -37.341,-62.89 -30.266,-62.89 -29.334,-63.822 -17.242,-63.822 -16.35,-64.713 -10.432,-64.713 -9.179,-65.966 -6.003,-65.966 -5.155,-66.814 -4.949,-67.02 -2.268,-67.02 -1.831,-67.457 5.358,-67.457 5.516,-67.615 6.583,-67.615 7.388,-68.42 9.579,-68.42 9.953,-68.794 16.699,-68.794 17.236,-69.331 17.236,-69.334 17.814,-69.912 19.318,-69.912 20.11,-69.12 25.382,-69.12 25.832,-69.571 v1(25.832,-69.621) ; v1(-25.832,69.621) -25.832,69.571 -25.382,69.12 -20.11,69.12 -19.318,69.912 -17.814,69.912 -17.236,69.334 -17.236,69.331 -16.699,68.794 -9.953,68.794 -9.579,68.42 -7.388,68.42 -6.583,67.615 -5.516,67.615 -5.358,67.457 1.831,67.457 2.268,67.02 4.949,67.02 5.155,66.814 6.003,65.966 9.179,65.966 10.432,64.713 16.35,64.713 17.242,63.822 29.334,63.822 30.266,62.89 37.341,62.89 38.129,62.102 90.084,62.102 94.85,57.337 94.85,57.057 95.357,56.549 95.357,55.989 96.901,54.445 J8.57@98.05,54.445
NetJ8_58: J8.58 J8_1.58 U2_U_amp10.3 U2_U_amp10_1.3 | length 307.5
  Top Layer w0.2: U2_U_amp10.3@-28.591,83.77 -29.667,82.695 -29.667,75.108 -29.337,74.778 -28.092,74.778 -26.365,73.05 -26.645,72.771 v1(-26.645,69.571) ; v1(26.645,-69.571) 26.645,-72.771 26.365,-73.05 28.092,-74.778 29.337,-74.778 29.667,-75.108 29.667,-82.695 U2_U_amp10_1.3@28.591,-83.77
  Bottom Layer w0.2: J8_1.58@-101.95,-54.445 -99.974,-54.445 -99.354,-53.825 -96.746,-53.825 -96.6,-53.971 -96.6,-54.124 -95.007,-55.716 -95.007,-56.404 -94.5,-56.912 -94.5,-57.192 -89.939,-61.752 -37.984,-61.752 -37.196,-62.54 -30.121,-62.54 -29.189,-63.472 -17.097,-63.472 -16.205,-64.363 -10.287,-64.363 -9.034,-65.616 -5.858,-65.616 -5.01,-66.464 -4.804,-66.67 -2.123,-66.67 -1.686,-67.107 5.503,-67.107 5.661,-67.265 6.728,-67.265 7.533,-68.07 9.724,-68.07 10.098,-68.444 16.844,-68.444 17.586,-69.186 17.586,-69.189 17.959,-69.562 19.173,-69.562 19.965,-68.77 26.225,-68.77 26.645,-69.19 v1(26.645,-69.571) ; v1(-26.645,69.571) -26.645,69.19 -26.225,68.77 -19.965,68.77 -19.173,69.562 -17.959,69.562 -17.586,69.189 -17.586,69.186 -16.844,68.444 -10.098,68.444 -9.724,68.07 -7.533,68.07 -6.728,67.265 -5.661,67.265 -5.503,67.107 1.686,67.107 2.123,66.67 4.804,66.67 5.01,66.464 5.858,65.616 9.034,65.616 10.287,64.363 16.205,64.363 17.097,63.472 29.189,63.472 30.121,62.54 37.196,62.54 37.984,61.752 89.939,61.752 94.5,57.192 94.5,56.912 95.007,56.404 95.007,55.716 96.6,54.124 96.6,53.971 96.746,53.825 99.354,53.825 99.974,54.445 J8.58@101.95,54.445